# Allegro board T736_DEMO_CORE_AXP8191_LP4_4X_32X1_V0_5-draft.brd (continued)
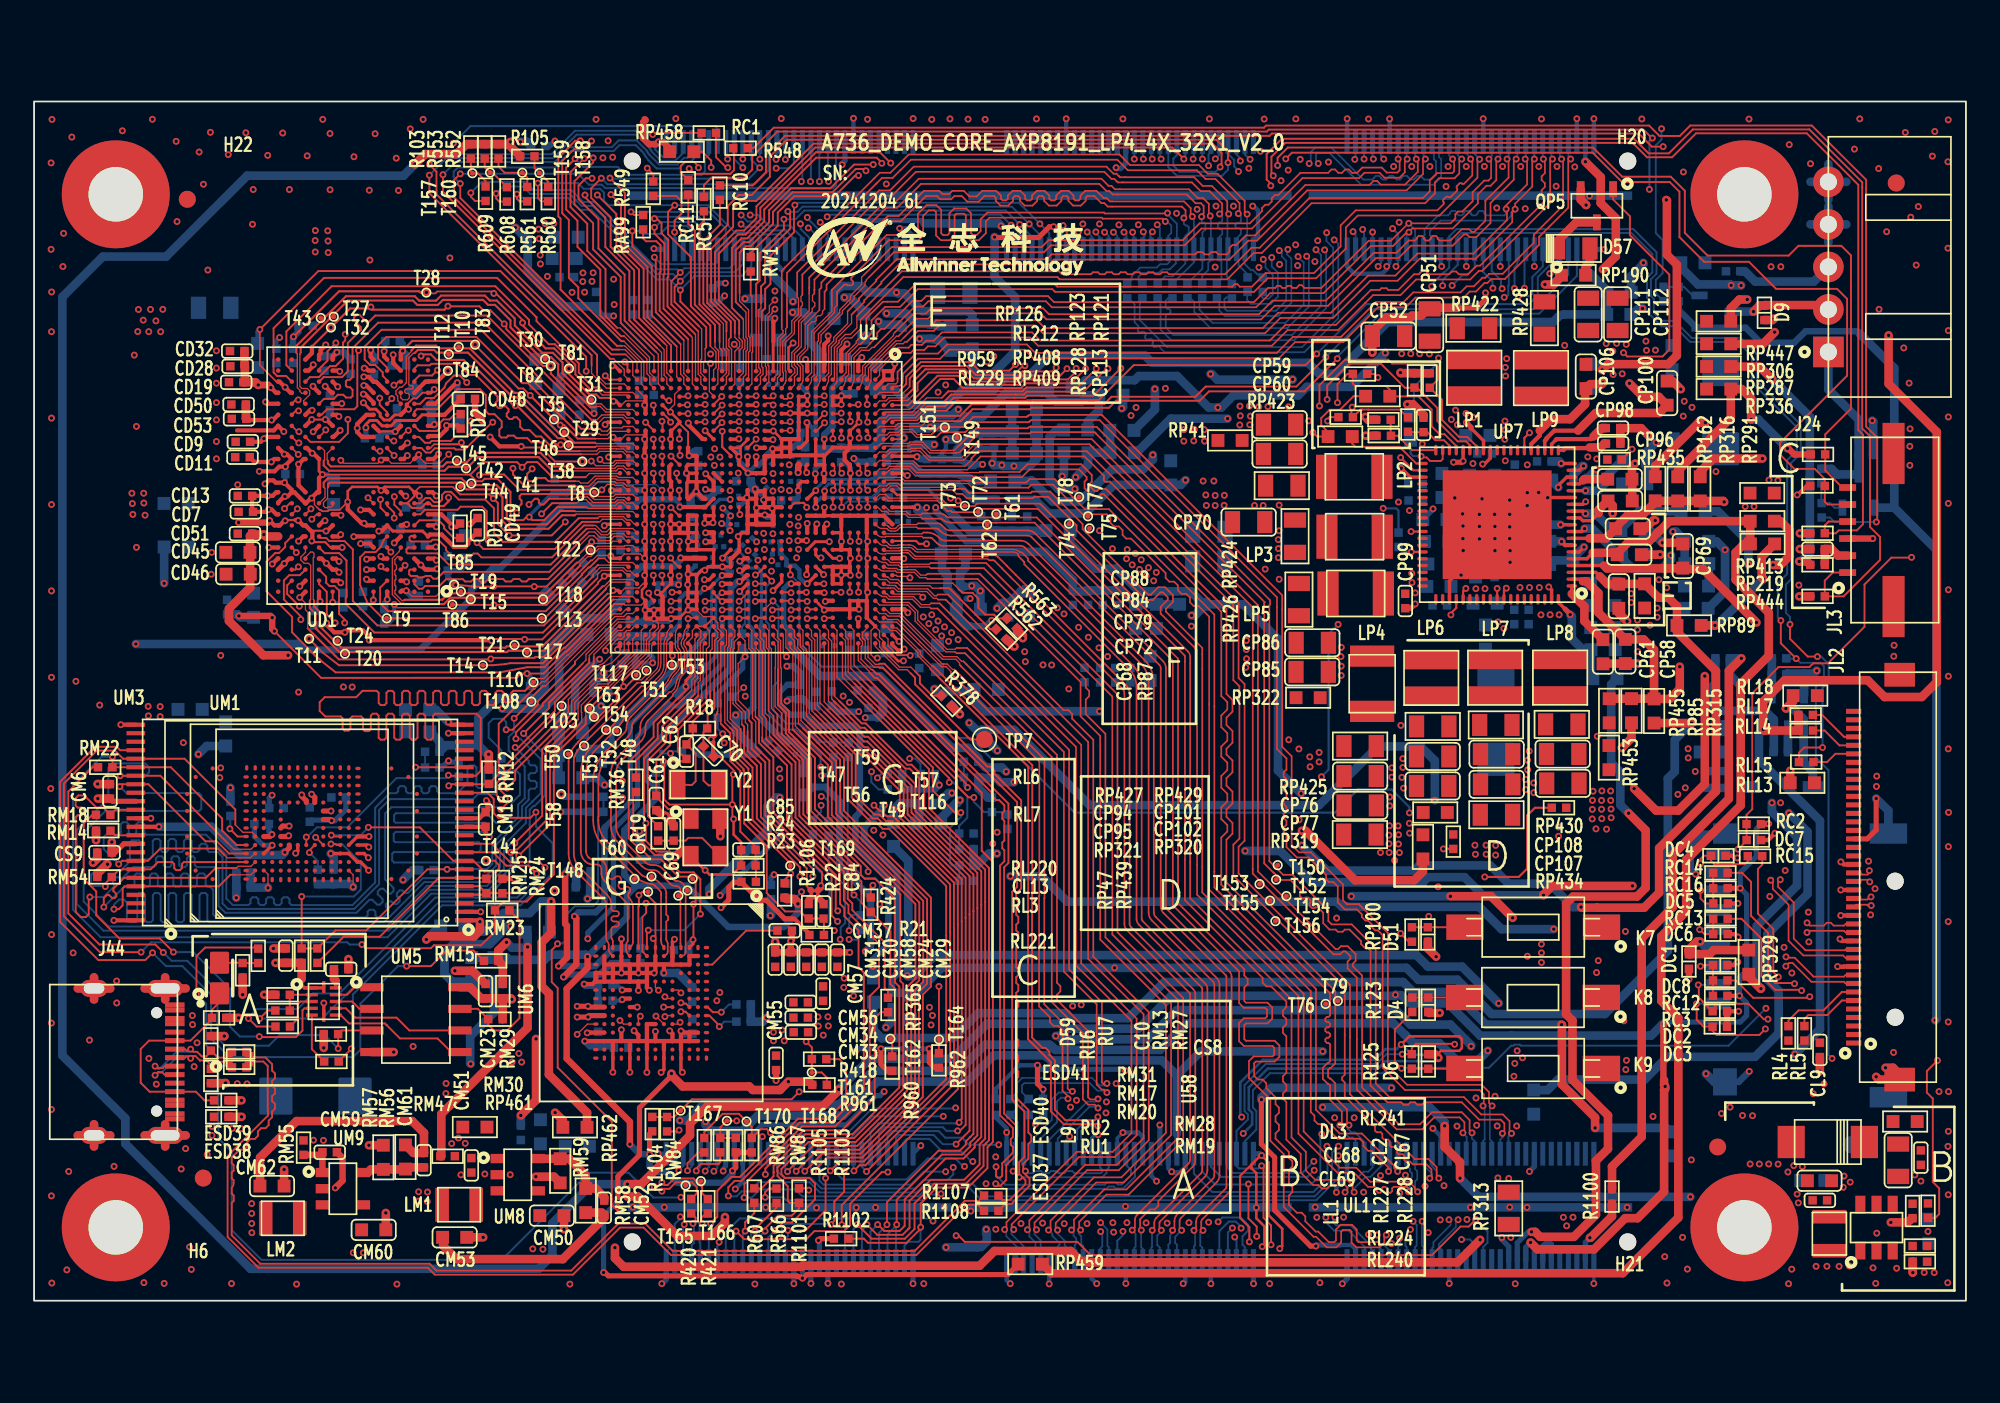
[diagram p0: board, top side]
## Routing (per net, layer and track width the routed paths; a pad name or vN(x,y) marks a point on that pad's centre or on a via; arc(x,y) is an arc through that point) (continued)
VDD-NPU:
  vias: v1(16.53,62.91) v1(16.52,62.33) v1(16.52,61.65) v1(17.25,62.9) v1(17.27,62.3) v1(17.28,61.62) v1(39.76,49.6) v1(39.98,50.08) v1(39.97,49.11) v1(40.3,49.59) v1(41.37,48.65) v1(84.65,26.78) v1(84.68,26.25) v1(85.3,26.78) v1(85.31,26.25) v1(85.87,26.77) v1(85.87,26.2)
VDD-NPUFB: length 155.9
  TOP w0.127: UP7.67 v1(85.96,41.88) ; U1.Y11 40.92,49.7 40.43,50.19 v1(40.43,51.11)
  L3 w0.127: v1(40.43,51.11) 40.57,51.11 40.79,51.34 40.79,53.5 39.35,54.94 39.35,56.95 35.4,60.9 31.61,60.9 30.54,59.83 16.98,59.83 14.04,56.89 14.04,54.82 14.37,54.49 14.37,51.36 14.11,51.1 14.11,49.83 14.31,49.63 14.31,49.16 14.21,49.06 14.21,44.14 13.63,43.55 13.63,41.19 14.59,40.22 14.59,38.87 14.46,38.74 14.46,37.66 17.24,34.89 25.1,34.89 30.76,29.23 30.99,29.23 35.91,24.3 41.31,24.3 43.02,26.01 49.45,26.01 51.9,23.56 51.93,23.56 51.95,23.54 63.97,23.54 64.51,23 76.72,23 76.98,22.74 80.21,22.74 82.43,24.95 82.43,26.86 87.35,31.78 v1(87.75,31.78)
  L4 w0.127: v1(85.96,41.88) 85.96,42.12 86.11,42.28 86.79,42.28 86.91,42.15 86.91,41.13 87.74,40.3 87.74,32.73 87.44,32.43 87.44,32.09 v1(87.75,31.78)
VDD-SYS: length 16.9
  TOP w0.178: v1(40.45,43.66) 40.45,43.68 U1.Y22
  L4 w0.305: v1(40.45,43.66) 40.86,43.66 41.85,44.65 41.85,45.38 42.23,45.76 43.14,45.76 43.79,46.41 43.79,46.95 44.35,47.5 44.35,47.53 44.38,47.57 v1(44.38,47.63)
  BOTTOM w0.254: C274.1 44.92,49.32 ; 40.62,43.66 v1(40.45,43.66)
  BOTTOM w0.305: C65.1 40.65,43.66 40.62,43.66 ; v1(56.29,49.23) 56.29,49.37 56.4,49.48 C72.1 56.35,50.11 C64.1
  BOTTOM w0.381: v1(48.16,49.52) 48.18,49.52 48.38,49.32 C73.1
  BOTTOM w0.508: C131.1 58.89,51.11 C71.1 C63.1 58.89,49.48 58.49,49.07 v1(57.57,49.07) 56.94,49.07 56.89,49.12 v1(56.86,49.12) 56.4,49.12 v1(56.29,49.23)
  vias: v1(42.88,48.21) v1(43.41,48.63) v1(43.41,47.6) v1(43.89,47.69) v1(44.37,49.14) v1(67.55,51.21) v1(67.55,50.53) v1(68.13,50.55) v1(68.16,51.23) v1(68.75,51.21) v1(68.76,50.54)
VDD-SYSFB: length 39.7
  TOP w0.127: U1.N17 44.68,46.9 45.21,46.9 45.39,46.72 v1(45.39,46.64) ; v1(80.29,49.57) 81.04,48.82 UP7.40
  L3 w0.127: v1(45.39,46.64) 45.41,46.64 45.77,46.28 46.26,46.28 46.27,46.27 50.65,46.27 51.96,47.58 54.46,47.58 55.06,46.98 65.24,46.98 67.77,49.51 80.22,49.51 v1(80.29,49.57)
VDD-USB: length 22.6
  TOP w0.203: v1(45.39,42.69) 45.42,42.72 U1.L24
  L4 w0.178: 50.06,39.25 49.67,39.64 49.67,41.83 49.23,42.27 48.18,42.27 48.18,42.28 47.28,42.28 46.87,42.69 46.87,42.72 46.54,43.05 45.75,43.05 v1(45.39,42.69)
  L4 w0.381: v1(50.5,28.88) 50.5,28.94 50.81,29.26 50.81,36.48 50.06,37.23 50.06,39.25
  BOTTOM w0.508: RP35.2 v1(50.5,28.88) 50.87,29.25 C246.1 52,28.23 RP54.2
VDD-VE: length 0.9
  TOP w0.254: U1.V12 41.92,49.61 v1(41.92,49.62) ; U1.U12 v1(42.42,49.62)
  vias: v1(18.17,36.08) v1(18.69,36.08) v1(80.8,28.07) v1(80.82,27.49)
VDDI-EMMC: length 3
  TOP w0.076: v1(13.74,24.27) 13.74,25.07 13.53,25.29 UM1.K2
  BOTTOM w0.508: v1(13.74,24.27) 13.73,24.29 CM11.1 12.73,24.29 CM10.1
ALDO1: length 111.7
  TOP w0.203: 91,42.29 90.87,42.42 UP7.2
  TOP w0.508: RP315.1 95.18,38.27 94.56,38.88 CP58.1 91.91,40.46 91.91,41.6 91.22,42.29 91,42.29 ; RP315.1 95.16,35.4 RP85.1 93.85,35.39 RP455.1 ; RP315.1 96.1,35.38 96.69,35.97 v1(96.69,37.28)
  L3 w0.305: v1(43.84,28.82) 43.87,28.8 43.87,28.76 45.54,27.09 49.58,27.09 v1(49.87,27.38)
  L4 w0.305: v1(40.31,23.83) 40.31,23.77 39.68,23.15 39.68,22.55 39.38,22.24 34.72,22.24 34.5,22.02 v1(28,22.02) ; v1(57.36,24.96) 56.93,24.96 54.5,27.38 v1(49.87,27.38)
  L4 w0.508: v1(89.28,21.84) 91.47,21.84 92.44,22.82 92.44,24.77 95.97,28.3 95.97,30.15 96.6,30.79 96.6,37.19 v1(96.69,37.28)
  BOTTOM w0.305: v1(43.84,28.82) 43.84,28.82 43.83,28.81 43.83,27.35 v1(40.31,23.83)
  BOTTOM w0.508: v1(57.36,24.96) 59.2,24.96 60.7,23.46 76.53,23.46 76.81,23.18 77.11,23.18 77.13,23.15 84.9,23.15 86.21,21.84 v1(89.28,21.84) ; RP124.1 24.57,18.76 24.12,19.22 24.12,20.36 24.12,20.36 24.12,20.45 24.62,20.96 26.77,20.96 27.82,22.02 v1(28,22.02)
ALDO2: length 103.3
  TOP w0.203: UP7.3 91.75,42.82 91.99,42.59
  TOP w0.508: 91.99,42.59 92.45,42.13 CP68.1 93.12,42.14 RP87.1 95.43,41.33 95.75,41.33 96.02,41.33 96.52,40.82 RP89.1 96.52,39.32 98.81,37.03 98.81,29.95 95.47,26.61 95.47,23.99 94.59,23.11 91.82,23.11 91.82,23.11 90.92,23.11 v1(90.89,23.14)
  L3 w0.508: v1(33.23,37.71) 33.23,37.7 33.35,37.7 33.39,37.66 34.71,37.66 37.07,35.29 41.24,35.29 41.98,34.55 47.64,34.55 54.08,28.11 54.72,28.11 54.98,28.36 56.22,28.36 72.81,28.36 74.41,26.76 v1(74.48,26.76)
  BOTTOM w0.305: 32.72,37.29 33.14,37.7 33.22,37.7 v1(33.23,37.71)
  BOTTOM w0.508: v1(74.48,26.76) 75.96,25.29 81.09,25.29 81.39,25.59 85.55,25.59 86.62,24.52 89.04,24.52 90.42,23.14 v1(90.89,23.14) ; 32.72,37.29 31.79,36.36 31.79,35 30.8,34.02 RP446.1 30.8,32.05 RP138.1 30.8,30.75 RP91.1
ALDO3: length 155.9
  TOP w0.203: 92.24,43.22 UP7.4
  TOP w0.508: v1(88.68,23.83) 88.68,23.88 89.19,24.39 v1(93.91,24.39) ; RP462.1 32.49,11.06 30.25,13.3 30.25,18.07 29.83,18.49 29.83,21.07 30.38,21.62 v1(30.38,23.48) ; v1(101.19,39.87) 98.05,43.01 96.92,43.01 CP69.1 96.85,43.05 92.4,43.05 92.24,43.22
  L3 w0.508: v1(71.15,26.44) 70.73,26.87 v1(56.32,26.87) ; v1(49.33,27.66) 45.8,27.66 43.88,29.58 v1(43.81,29.58)
  L4 w0.508: v1(71.15,26.44) 68.63,28.97 68.63,43.25 63.49,48.39 61.22,48.39 v1(61.2,48.42) ; v1(93.91,24.39) 93.95,24.39 99.19,29.63 99.19,37.87 v1(101.19,39.87) ; v1(30.38,23.48) 31.81,23.48 32.5,22.79 37.07,22.79 38.19,23.9 v1(39.67,23.9) ; v1(49.33,27.66) 49.33,27.78 49.61,28.05 54.68,28.05 55.86,26.87 v1(56.32,26.87)
  BOTTOM w0.508: v1(61.2,48.42) 61.92,49.14 RP67.1 RP452.1 63.22,51.15 RP65.1 ; v1(88.68,23.83) 85.11,23.83 84.04,24.9 81.89,24.9 81.59,24.6 75.05,24.6 73.21,26.44 v1(71.15,26.44) ; RP62.1 30.28,23.38 v1(30.38,23.48) 29.8,23.48 29.11,22.79 27.6,22.79 26.51,21.7 25.64,21.7 RP317.1 ; v1(39.67,23.9) 39.67,24.21 43.09,27.63 43.09,29.06 43.61,29.58 v1(43.81,29.58)
ALDO4: length 95.8
  TOP w0.203: UP7.5 91.23,43.62 91.58,43.97
  TOP w0.508: RP459.1 59.77,1.62 93.33,1.62 96.6,4.89 96.6,16.62 95.61,17.62 95.61,21.43 97.06,22.88 97.06,25.91 100.26,29.11 100.26,36.26 101.91,37.91 101.91,40.45 99.97,42.39 99.97,43.98 100.47,44.49 RP444.1 100.83,44.5 RP219.1 96.08,45.83 95.5,45.25 95.49,45.25 95.41,45.18 94.87,44.64 94.86,44.64 94.84,44.62 93.69,44.62 93.01,43.94 CP72.1 92.9,43.97 91.58,43.97
ALDO5: length 3.9
  TOP w0.203: UP7.1 90.34,41.56
  TOP w0.508: 90.34,41.56 91.08,40.82 91.08,39.95 CP61.1
ALDO6: length 5.8
  TOP w0.203: 89.95,40.66 89.56,41.06 UP7.76
  TOP w0.305: 89.95,40.66 90.25,40.36 v1(90.25,40.33)
  BOTTOM w0.508: RP440.1 91.47,36.68 CP62.1 91,38.27 90.34,38.93 90.34,40.24 v1(90.25,40.33)
ALDO-6: length 44.6
  TOP w0.508: v1(93.68,28.66) 94.68,27.66 94.68,24.27 94.17,23.76 90.42,23.76 90.01,23.35 90.01,16.85 90.38,16.47 90.38,12.98 92.47,10.89 92.47,8.93 91.76,8.22 91.76,5.06 90.47,3.76 88.48,3.76 88.19,4.05 v1(87.98,4.05)
  BOTTOM w0.305: J48.162 87.14,3.4 87.79,4.05 v1(87.98,4.05)
  BOTTOM w0.508: v1(93.68,28.66) 93.2,29.15 93.2,31.08 92.66,31.62 92.66,36.23 RP440.2
ALDO-IN: length 3.4
  TOP w0.203: UP7.6 90.77,44.02 v1(91.06,44.3)
  BOTTOM w0.508: CP65.1 89.29,43.52 RP410.2 90.42,43.66 v1(91.06,44.3)
AP-CK32K-OUT: length 80.8
  TOP w0.076: 41.92,33.49 41.92,33.86 41.79,34 41.79,34.59 41.22,35.16 41.22,38.05 41.39,38.22 41.39,38.61 U1.W33
  TOP w0.114: 41.92,33.49 41.92,32.33 42.7,31.55 42.7,28.44 45.76,25.38 v1(45.76,24.96) ; v1(84.7,4.77) 84.29,4.36 83.8,4.36 82.13,2.68 62.07,2.68 61.3,3.46 54.68,3.46 54.32,3.82 v1(54.17,3.82)
  L4 w0.114: v1(54.17,3.82) 53.11,3.82 52.37,4.56 52.37,6.38 52.74,6.75 52.74,8.28 52.79,8.34 52.79,10.12 52.58,10.32 52.58,11.61 54.46,13.48 54.46,21.84 52.55,23.75 49.12,23.75 47.91,24.96 v1(45.76,24.96)
  BOTTOM w0.114: J48.154 85.14,3.16 85.39,3.41 85.39,4.08 v1(84.7,4.77)
AP-NMI: length 159.9
  TOP w0.102: U1.V29 41.47,40.65 v1(41.42,40.61)
  TOP w0.114: v1(71.34,6.86) 71.34,4.84 71.83,4.35 v1(71.83,3.78) ; v1(76.58,52.79) 76.58,53.89 77.17,54.48 RP126.1 77.47,53.92 77.62,53.78 79.43,53.78 79.65,53.55 RL212.2 79.66,53.16 81.34,53.16 82.11,52.39 82.11,51.41 82.58,50.94 82.87,50.94 83.56,50.25 UP7.35
  L4 w0.076: v1(41.42,40.61) 40.99,40.17 40.99,39.76
  L4 w0.114: v1(75.65,9.79) 78.16,9.79 80.48,12.11 80.48,12.92 79.82,13.57 79.82,15.58 80.68,16.44 80.68,18.72 78.48,20.92 78.48,23.76 76.39,25.85 76.39,28.92 73.91,31.4 73.91,32.55 74.08,32.72 74.08,33.84 72.92,35 72.92,42.13 72.69,42.36 72.69,46.82 72.81,46.95 72.81,49.43 73.02,49.63 73.02,52.38 73.33,52.69 73.33,52.7 73.55,52.91 73.55,52.91 74.09,53.45 76.4,53.45 76.58,53.28 v1(76.58,52.79) ; 40.99,39.76 40.79,39.56 40.79,36.94 v1(41.69,36.04) 41.31,35.66 41.31,35.06 41.64,34.74 41.64,32.11 42.11,31.64 42.11,27.16 41.66,26.71 41.66,12.09 40.64,11.07 40.64,10.65 40.64,9.97 39.58,8.91 37.51,8.91 36.06,7.45 36.06,5.28 38.6,2.73 45.65,2.73 45.9,2.47 70.92,2.47 71.83,3.38 v1(71.83,3.78)
  BOTTOM w0.114: J48.107 68.64,7.58 69.39,6.83 71.32,6.83 v1(71.34,6.86) 71.37,6.83 75.03,6.83 75.57,7.38 75.57,9.54 75.56,9.55 75.56,9.71 v1(75.65,9.79) ; C48.1 41.12,35.51 41.65,36.04 v1(41.69,36.04)
AP-RESET: length 157.6
  TOP w0.102: v1(41.42,41.12) 41.92,41.62 U1.V27
  TOP w0.114: UP7.37 82.76,49.48 82.64,49.37 82.02,49.37 81.81,49.58 81.55,49.58 v1(81.49,49.64) ; v1(72.67,3.29) 72.67,4.43 72.23,4.87 72.23,7.81 v1(72.12,7.93) ; v1(83.46,15.08) 83.46,15.08 83.43,15.1 81.18,15.1 80.94,14.86 R125.1 v1(80.38,14.49)
  L4 w0.076: v1(41.42,41.12) 40.8,40.49 40.8,39.91 40.46,39.57 40.46,38.83
  L4 w0.114: v1(83.46,15.08) 83.47,15.08 83.66,15.27 83.66,21.74 81.45,23.95 81.45,31.72 80.54,32.62 78.11,32.62 74.95,35.78 74.95,49.74 75.28,50.07 80.33,50.07 80.78,49.62 81.44,49.62 81.46,49.64 v1(81.49,49.64) ; v1(72.67,3.29) 72.67,2.91 71.72,1.95 45.72,1.95 45.45,2.23 38.4,2.23 35.56,5.07 35.56,7.81 35.8,8.05 35.8,8.82 36.38,9.4 39.31,9.4 40.14,10.24 40.14,10.44 40.14,11.34 41.05,12.25 41.05,27.16 41.54,27.64 41.54,31.24 40.17,32.62 40.17,33.04 v1(40.46,33.33) 40.46,38.83
  BOTTOM w0.114: 81.47,49.66 81.49,49.64 v1(81.49,49.64) 81.48,49.66 81.47,49.66 ; 81.47,49.66 81.03,49.66 80.87,49.81 RP191.1 ; v1(40.46,33.33) 40.17,33.62 C37.1 ; v1(80.38,14.49) 79.45,14.49 78.87,13.92 72.36,13.92 71.12,12.67 71.12,11.15 71.31,10.95 71.31,10.65 70.64,9.98 J48.115 70.64,7.92 70.79,7.77 71.92,7.77 72.08,7.93 v1(72.12,7.93)
AP-UFS-CLKOUT: length 9.9
  TOP w0.076: 38.21,35.47 38.64,35.9 38.64,36.48 38.83,36.67 38.83,38.91 38.92,39 U1.AD32
  TOP w0.114: RM36.1 35.37,31.77 36.64,33.04 36.64,33.9 38.21,35.47
AP-WAKE-BT: length 40.7
  L4 w0.114: v1(45.09,24.04) 45.83,23.31 47.69,23.31 48.34,22.66 50.95,22.66 53.75,19.85 53.75,18.11 53.41,17.77 52.19,17.77 51.42,17.01 51.42,12.39 50.84,11.81 50.84,7.3 50.08,6.54 46.07,6.54 45.65,6.97 38.54,6.97 37.88,7.63 v1(37.88,7.65)
  BOTTOM w0.114: v1(45.09,24.04) 44.72,23.67 RW85.2 ; v1(37.88,7.65) 37.91,7.67 37.91,7.69 38.14,7.92 J48.5
AUX-HPD: length 50.8
  TOP w0.114: v1(48.47,43.65) 48.45,43.67 48.45,44.12 U1.E22
  L4 w0.076: v1(48.47,43.65) 48.79,43.97 49.16,43.97 49.57,43.56
  L4 w0.114: 49.57,43.56 51.22,41.91 51.22,41.11 51.79,40.55 51.79,39.91 55.39,36.31 55.39,34.05 58.85,30.59 58.85,14.64 59.85,13.64 59.85,7.14 62.24,4.76 62.24,3.97 62.58,3.62 63.59,3.62 63.97,4.01 v1(63.97,4.08)
  BOTTOM w0.114: J48.88 63.64,3.53 63.97,3.86 v1(63.97,4.08)
AUXN: length 50.5
  TOP w0.102: v1(47.96,44.64) 47.92,44.68 U1.F20
  L4 w0.076: v1(47.96,44.64) 48.14,44.46 48.14,44.29 48.3,44.13 49.44,44.13 50.73,42.84 51.77,42.84 51.97,42.63 51.97,42.57
  L4 w0.102: 51.97,42.57 51.97,42.16 56,38.13 56,33.87 59.07,30.8 59.07,15.46 61.6,12.94 61.6,8.99 62.75,7.84 62.75,4.68 v1(62.66,4.59)
  BOTTOM w0.102: J48.86 63.14,3.15 63.06,3.22 63.06,4.18 v1(62.66,4.59)
AUXP: length 50.5
  TOP w0.102: v1(48.47,44.64) 48.42,44.68 U1.E20
  L4 w0.076: v1(48.47,44.64) 48.29,44.46 48.29,44.35 48.37,44.28 49.51,44.28 50.8,42.99 51.83,42.99 52.25,42.57
  L4 w0.102: v1(62.66,4.07) 63.01,4.42 63.01,4.55 63.03,4.56 63.03,7.96 61.88,9.1 61.88,13.05 59.35,15.58 59.35,30.92 56.28,33.99 56.28,38.25 52.25,42.28 52.25,42.57
  BOTTOM w0.102: v1(62.66,4.07) 62.76,3.97 62.76,3.19 62.64,3.07 J48.84
BOOT-SEL-ADC: length 13.5
  TOP w0.076: U1.F32 47.99,39.08 47.99,37.17 48.51,36.65
  TOP w0.114: v1(54.84,30.17) 54.76,30.26 54.76,30.4 48.51,36.65
  BOTTOM w0.114: R5.2 R9.1 54.63,30.29 54.74,30.17 v1(54.84,30.17)
BT-PCM-CLK: length 39.6
  L4 w0.114: v1(41.14,56.23) 41.14,56.35 39.75,57.73 39.75,61.41 40.93,62.58 40.93,65.18 42.03,66.28 42.03,67.01 42.73,67.71 65.62,67.71 65.81,67.53 v1(66.22,67.12)
  BOTTOM w0.114: J47.84 66.14,67.23 66.22,67.15 v1(66.22,67.12) ; RW83.2 41.48,55.88 v1(41.14,56.23)
BT-PCM-DIN: length 38.8
  TOP w0.114: v1(41.42,52.19) 41.38,52.15 U1.Y6
  L4 w0.076: 41.71,53.58 41.74,53.55 41.74,52.51 v1(41.42,52.19)
  L4 w0.114: 41.71,53.58 41.71,56.74 40.21,58.24 40.21,60.65 42.94,63.38 42.94,63.4 42.94,63.4 42.94,64.83 45.36,67.25 64.51,67.25 v1(64.64,67.12)
  BOTTOM w0.114: J47.90 v1(64.64,67.12)
BT-PCM-DOUT: length 40.1
  TOP w0.114: v1(41.42,51.68) 41.39,51.65 U1.Y7
  L4 w0.076: v1(41.42,51.68) 41.92,52.18 41.92,53.41 41.94,53.43 41.94,56.61
  L4 w0.114: v1(65.17,67.12) 64.78,66.72 64.36,66.72 64.06,67.02 51.39,67.02 50.87,66.51 49.69,66.51 48.89,65.71 47.99,65.71 47.07,66.62 45.07,66.62 43.26,64.81 43.26,63.34 40.98,61.06 40.98,59.67 40.95,59.65 40.95,58.16 41.94,57.17 41.94,56.61
  BOTTOM w0.114: J47.88 65.14,67.17 65.17,67.14 v1(65.17,67.12)
BT-PCM-SYNC: length 40
  TOP w0.114: v1(41.42,52.7) 41.37,52.65 U1.Y5
  L4 w0.076: 41.42,53.65 41.11,53.34 41.11,53.02 v1(41.42,52.7)
  L4 w0.114: v1(65.69,67.12) 65.57,67.24 65.56,67.24 65.32,67.48 45.21,67.48 42.71,64.98 42.71,63.49 39.98,60.76 39.98,58.15 41.48,56.65 41.48,53.71 41.42,53.65
  BOTTOM w0.114: v1(65.69,67.12) 65.69,67.15 65.64,67.2 J47.86
BT-RESETN: length 2.2
  TOP w0.114: RW84.2 37.82,9.95 v1(37.9,10.03)
  BOTTOM w0.114: v1(37.9,10.03) 37.64,9.77 J48.3
BT-UART-CTS: length 47.1
  TOP w0.076: 40.94,56.63 40.82,56.52 40.82,56.09 40.98,55.94 40.98,54.2 U1.Y2
  TOP w0.114: v1(69.68,66.65) 69.68,66.76 69.77,66.84 69.77,67.49 69.23,68.02 45.8,68.02 44.9,67.12 42.43,64.66 41.52,64.66 41.07,64.21 41.07,63.13 39.78,61.83 39.78,58.73 40.94,57.57 40.94,56.63
  BOTTOM w0.114: v1(69.68,66.65) 69.68,66.63 69.42,66.37 69.15,66.37 69.15,66.37 68.85,66.37 68.85,66.37 67.3,66.37 66.94,66.73 66.94,67.14 67.14,67.35 J47.80
BT-UART-RTS: length 40.6
  TOP w0.076: U1.Y3 41.17,53.9 41.17,55.81 41.46,56.09 41.46,56.36 41.17,56.64 41.17,56.89
  TOP w0.114: v1(67.55,67.12) 66.87,67.79 45.89,67.79 45.13,67.02 45.13,67.02 42.44,64.34 42.44,63.64 41.71,62.91 41.26,62.91 40.01,61.66 40.01,58.77 41.17,57.6 41.17,56.89
  BOTTOM w0.114: v1(67.55,67.12) 67.55,67.19 67.64,67.28 J47.78
BT-UART-RX: length 39.5
  TOP w0.114: v1(42.4,51.16) 42.39,51.15 U1.V8
  L4 w0.076: v1(42.4,51.16) 42.96,51.71 42.96,53.59 43,53.64
  L4 w0.114: 43,53.64 43,58.04 42.48,58.56 42.48,59.92 44.03,61.47 44.08,61.52 47.46,61.52 51.67,65.73 67.01,65.73 68.07,66.79 68.07,67.05 68.1,67.07 v1(68.1,67.12)
  BOTTOM w0.114: v1(68.1,67.12) 68.1,67.12 68.14,67.16 J47.76
BT-UART-TX: length 40.2
  TOP w0.076: U1.W2 41.42,54.3 41.67,54.54 41.67,55.88 41.76,55.97 41.76,56.48 41.67,56.57 41.67,57.69 41.64,57.73
  TOP w0.114: v1(49.8,66.87) 49.78,66.89 49.78,66.93 49.51,67.2 45.94,67.2 42.9,64.15 42.9,63.45 41.9,62.45 41.55,62.45 41,61.9 41,58.37 41.64,57.73
  L3 w0.114: v1(49.8,66.87) 50.63,67.7 68.06,67.7 v1(68.64,67.12)
  BOTTOM w0.114: J47.74 v1(68.64,67.12)
BT-WAKE-AP: length 2.8
  TOP w0.114: v1(38.39,7.65) 38.39,8.08 39.03,8.72 RW86.2
  BOTTOM w0.114: v1(38.39,7.65) 38.39,7.65 38.64,7.89 J48.7
CC1: length 13.3
  TOP w0.114: ESD39.2 10.01,11.78 9.5,12.29 J44.B5 6.79,12.29 6.27,12.81 6.27,14.8 6.76,15.29 J44.A5 9.19,15.29 10.45,16.55 ESD41.2 10.45,17.1 10.9,17.55 D59.2
CK-SEL0: length 21.8
  TOP w0.076: 40.88,33.7 40.58,33.99 40.58,38.45 40.67,38.54 40.67,39.4 U1.AA31
  TOP w0.114: R21.2 46.4,22.44 C84.1 46.38,22.47 R22.2 45.42,22.47 45.01,22.89 44.13,22.89 43.05,23.97 43.05,26.73 41.72,28.06 41.72,31.13 41.68,31.17 41.68,31.26 41.09,31.85 41.09,33.48 40.88,33.7
CK-SEL1: length 14.9
  TOP w0.076: U1.AA33 40.35,38.57 40.35,33.92
  TOP w0.114: R23.2 42.41,25.56 R24.1 42.39,26.5 C85.1 42.39,26.69 41.49,27.59 41.49,31.09 41.49,31.09 41.49,31.15 40.9,31.73 40.9,33.37 40.35,33.92
COMB0-LANE0-N: length 55.6
  TOP w0.076: U1.C23 49.62,43.5 49.86,43.4 50.03,43.4 50.19,43.25 50.78,43.25 50.89,43.13 51.3,43.13 51.3,43.14 52.6,43.14 52.68,43.07 52.7,43.07
  TOP w0.102: v1(60.95,4.16) 61.1,4.3 61.1,4.76 62.88,6.54 64.18,6.54 67.21,9.57 67.21,17.67 63.35,21.53 63.35,35.52 55.8,43.07 52.7,43.07
  BOTTOM w0.102: v1(60.95,4.16) 61.07,4.04 61.07,3.82 61.22,3.67 61.22,3.36 61.14,3.28 J48.78
COMB0-LANE0-P: length 55.5
  TOP w0.076: U1.B23 50,43.57 50.14,43.57 50.32,43.4 50.84,43.4 50.96,43.29 51.24,43.29 51.25,43.29 52.6,43.29 52.68,43.37 52.7,43.37
  TOP w0.102: 52.7,43.37 55.93,43.37 63.65,35.65 63.65,21.66 67.51,17.8 67.51,9.44 64.3,6.24 63,6.24 61.4,4.64 61.4,4.24 v1(61.48,4.16)
  BOTTOM w0.102: J48.80 61.64,3.22 61.52,3.34 61.52,3.8 61.37,3.95 61.37,4.05 v1(61.48,4.16)
COMB0-LANE1-N: length 55.1
  TOP w0.076: U1.C24 49.78,42.93 49.87,42.9 50.61,42.9 50.69,42.82 51.71,42.82 52.03,42.51 52.4,42.51 52.48,42.43 52.5,42.43
  TOP w0.102: 52.5,42.43 55.43,42.43 61.48,36.38 61.48,34.35 62.64,33.2 62.64,21.24 63.05,20.82 66.5,17.38 66.5,9.87 63.88,7.25 62.27,7.25 59.72,4.7 59.72,4.27 v1(59.6,4.15)
  BOTTOM w0.102: J48.74 60.14,3.19 60.25,3.29 60.25,3.39 59.82,3.82 59.82,3.93 v1(59.6,4.15)
COMB0-LANE1-P: length 55.1
  TOP w0.076: 52.5,42.73 52.48,42.73 52.4,42.66 52.09,42.66 51.78,42.97 50.75,42.97 50.68,43.05 50.17,43.05 U1.B24
  TOP w0.102: 52.5,42.73 55.56,42.73 61.79,36.5 61.79,36.05 61.99,35.85 61.99,35.54 61.79,35.34 61.79,34.48 62.94,33.33 62.94,21.36 63.18,21.13 63.18,21.13 66.8,17.51 66.8,9.74 64.01,6.95 62.4,6.95 60.02,4.57 60.02,4.26 v1(60.13,4.15)
  BOTTOM w0.102: J48.76 60.64,3.16 60.55,3.25 60.55,3.52 60.1,3.97 60.1,4.12 v1(60.13,4.15)
COMB0-LANE2-N: length 52.4
  TOP w0.076: U1.C26 49.76,41.9 50.17,41.9 50.17,41.9 50.32,41.9 50.32,41.9 50.53,41.9 50.73,41.69 52.44,41.69 52.85,41.29 53.03,41.29 53.11,41.21
  TOP w0.102: v1(58.36,4.17) 58.48,4.29 58.48,4.72 61.74,7.98 63.61,7.98 65.18,9.56 65.18,16.84 61.93,20.1 61.93,32.85 53.56,41.21 53.11,41.21
  BOTTOM w0.102: v1(58.36,4.17) 58.48,4.05 58.48,3.78 58.84,3.42 58.84,3.15 58.64,2.95 J48.68
COMB0-LANE2-P: length 52.4
  TOP w0.076: U1.B26 50.17,42.05 50.21,42.05 50.21,42.05 50.26,42.05 50.59,42.05 50.64,42 50.79,41.85 52.5,41.85 52.91,41.44 53.02,41.44 53.09,41.52 53.11,41.52
  TOP w0.102: v1(58.89,4.17) 58.78,4.29 58.78,4.59 61.87,7.68 63.73,7.68 65.49,9.43 65.49,16.97 62.23,20.23 62.23,32.98 60.99,34.22 60.99,34.5 60.77,34.72 60.49,34.72 53.69,41.52 53.11,41.52
  BOTTOM w0.102: J48.70 59.14,3.55 58.78,3.9 58.78,4.06 v1(58.89,4.17)
COMB0-LANE3-N: length 51.8
  TOP w0.076: U1.C27 49.79,41.42 49.84,41.4 50.04,41.4 50.21,41.24 51.6,41.24 52.07,40.77 52.61,40.77 52.69,40.69 52.71,40.69
  TOP w0.102: v1(57.02,4.18) 57.13,4.29 57.13,4.62 61.27,8.75 63.37,8.75 64.47,9.86 64.47,16.45 61.21,19.71 61.21,32.55 53.08,40.69 52.71,40.69
  BOTTOM w0.102: J48.64 57.78,2.47 57.78,3.13 57.12,3.79 57.12,4.09 v1(57.02,4.18)
COMB0-LANE3-P: length 51.8
  TOP w0.076: U1.B27 50.04,41.55 50.11,41.55 50.27,41.39 51.67,41.39 52.14,40.92 52.61,40.92 52.69,41 52.71,41
  TOP w0.102: v1(57.56,4.18) 57.43,4.3 57.43,4.49 61.39,8.45 63.5,8.45 64.78,9.73 64.78,16.58 61.52,19.84 61.52,32.68 53.2,41 52.71,41
  BOTTOM w0.102: J48.66 58.14,3.2 57.43,3.92 57.43,4.11 57.5,4.18 v1(57.56,4.18)
COMB1-REFN: length 46.1
  TOP w0.076: U1.C28 49.67,40.9 51.33,40.9 51.76,40.46 51.76,39.95 53.57,38.14 54.12,38.14 54.19,38.07 54.21,38.07
  TOP w0.102: v1(63.03,12.24) 62.86,12.41 62.73,12.41 62.43,12.71 62.43,17.42 60.5,19.35 60.5,32.26 54.69,38.07 54.21,38.07
  BOTTOM w0.102: v1(63.03,12.24) 62.92,12.35 62.47,12.35 62.03,12.79 58.18,12.79 58.04,12.66 58.04,12.25 R964.1 58.03,11.46 58.03,11.32 R966.2 58.2,10.68 58.2,8.7 J48.65
COMB1-REFP: length 46.1
  TOP w0.076: U1.B28 50.02,41.05 51.39,41.05 51.92,40.53 51.92,40.01 53.63,38.3 54.12,38.3 54.19,38.37 54.21,38.37 ; 55.08,38.11 55.09,38.11
  TOP w0.102: 55.08,38.11 54.82,38.37 54.21,38.37 ; v1(63.03,12.77) 62.99,12.73 62.84,12.73 62.74,12.83 62.74,17.55 60.81,19.48 60.81,32.39 55.09,38.11
  BOTTOM w0.102: v1(63.03,12.77) 62.92,12.66 62.6,12.66 62.16,13.1 58.05,13.1 57.74,12.79 57.74,12.25 R965.1 57.72,11.49 57.72,11.28 R967.2 57.64,10.64 57.65,10.64 57.78,10.5 57.78,9.67 57.64,9.53 J48.63
COMB1-RX0N: length 40.1
  TOP w0.076: U1.C29 49.67,40.4 50.03,40.4 50.18,40.25 50.84,40.25 50.84,40.24 50.84,40.24 53.36,37.71 54.16,37.71 54.38,37.49 54.38,37.38 54.4,37.37
  TOP w0.102: v1(62.51,11.33) 62.31,11.53 61.93,11.53 61.62,11.84 61.62,12.22 61.62,12.34 61.62,12.34 61.62,12.47 61.62,15.73 59.79,17.56 59.79,31.96 54.47,37.29 54.47,37.29 54.4,37.37
  BOTTOM w0.102: v1(62.51,11.33) 62.44,11.4 62,11.4 60.81,10.21 60.81,10.2 60.14,9.53 J48.73
COMB1-RX0P: length 40.1
  TOP w0.076: 54.61,37.58 54.6,37.59 54.49,37.59 54.22,37.86 53.43,37.86 50.99,40.3 50.99,40.3 50.9,40.4 50.28,40.4 50.03,40.65 U1.B29
  TOP w0.102: v1(62.51,11.86) 62.48,11.83 62.06,11.83 61.93,11.97 61.93,12.09 61.93,12.09 61.93,12.22 61.93,12.34 61.93,15.86 60.1,17.68 60.1,17.99 60.3,18.19 60.3,18.5 60.1,18.7 60.1,32.09 54.78,37.41 54.78,37.41 54.61,37.58
  BOTTOM w0.102: J48.71 59.64,9.46 60.51,10.33 60.51,10.33 61.88,11.71 62.35,11.71 v1(62.51,11.86)
COMB1-TX0N: length 38.2
  TOP w0.076: U1.C30 49.67,39.9 50.68,39.9 51.99,38.59 53.3,37.28 53.52,37.28 53.52,37.28 53.58,37.28 53.86,36.99 53.86,36.89
  TOP w0.102: 53.86,36.89 59.06,31.69 59.06,23.8 59.05,23.78 59.05,17.3 59.68,16.66 59.68,16.38 59.9,16.16 60.18,16.16 60.42,15.92 60.42,12.35 60.74,12.03 v1(60.74,11.87)
  BOTTOM w0.102: v1(60.74,11.87) 60.68,11.93 60.33,11.93 60.1,11.71 60.1,10.5 59.05,9.44 59.05,9.3 59.14,9.21 J48.69
COMB1-TX0P: length 38.2
  TOP w0.076: U1.B30 50.03,40.15 50.13,40.05 50.74,40.05 52.06,38.74 53.37,37.43 53.46,37.43 53.46,37.43 53.65,37.43 53.97,37.11 54.07,37.11 54.08,37.1
  TOP w0.102: 54.08,37.1 59.36,31.82 59.36,23.67 59.35,23.66 59.35,17.42 60.73,16.05 60.73,12.47 60.89,12.31 v1(61,12.31)
  BOTTOM w0.102: v1(61,12.31) 60.94,12.24 60.2,12.24 59.79,11.83 59.79,10.63 58.66,9.49 58.66,8.67 J48.67
CPUS-RX: length 44.8
  TOP w0.114: v1(42.37,42.15) 42.92,42.15 U1.T26 ; v1(36.89,6.96) 37.04,6.8 37.23,6.8 37.62,7.19 38.74,7.19 39.04,6.89 ; T166.1 39.04,6.89 ; 39.04,6.89 39.25,6.68 39.25,6.31 R421.1
  L4 w0.076: 41.79,36.78 41.79,36.84 41.28,37.35 41.28,38.91 41.85,39.48 41.85,41.65 41.97,41.77 41.99,41.77 v1(42.37,42.15)
  L4 w0.114: v1(36.89,6.96) 37.13,6.96 37.24,7.07 37.24,7.85 37.83,8.44 40,8.44 42.42,10.86 42.42,26.05 43.06,26.69 43.06,31.91 42.48,32.49 42.48,36.09 41.79,36.78
CPUS-TCK: length 12.6
  TOP w0.076: v1(43.41,41.14) U1.T29
  BOTTOM w0.114: R419.1 47.85,32.82 R963.1 46.93,32.85 T163.1 45.02,33.93 44.21,33.93 43.44,34.7 43.44,36.13 43.74,36.43 43.74,40.81 v1(43.41,41.14)
CPUS-TDI: length 31
  TOP w0.076: U1.T32 43.02,39.05 43.02,38.4 43.14,38.28 43.14,34.68 43.44,34.38
  TOP w0.114: 43.44,34.38 43.44,33.27 44.96,31.75 44.96,28.5 45.36,28.1 47.57,25.89 47.76,25.7 48.03,25.44 48.04,25.43 48.04,23.99 v1(48.17,23.85) ; R962.1 53.16,15.36 T164.1 v1(53.16,18.48)
  L4 w0.114: v1(47.88,21.76) 50.05,21.76 53.16,18.64 v1(53.16,18.48)
  BOTTOM w0.114: v1(47.88,21.76) 47.88,22.48 48.09,22.69 48.53,22.69 R425.1 48.55,23.47 v1(48.17,23.85)
CPUS-TDO: length 28.6
  TOP w0.076: 43.67,34.48 43.32,34.83 43.32,38.32 43.17,38.46 43.17,39.4 U1.T31
  TOP w0.114: 43.67,34.48 43.67,33.31 45.19,31.79 45.19,28.6 45.46,28.33 47.67,26.12 47.86,25.93 48.27,25.52 48.27,24.98 48.61,24.64 48.61,23.4 R424.1 49.15,22.85 50.3,21.7 50.3,19 50.3,18.62 50.59,18.34 50.59,15.68 T162.1 50.41,15.29 R960.1